# Altium PCB top.PcbDoc (part 5 of 5) (continued)
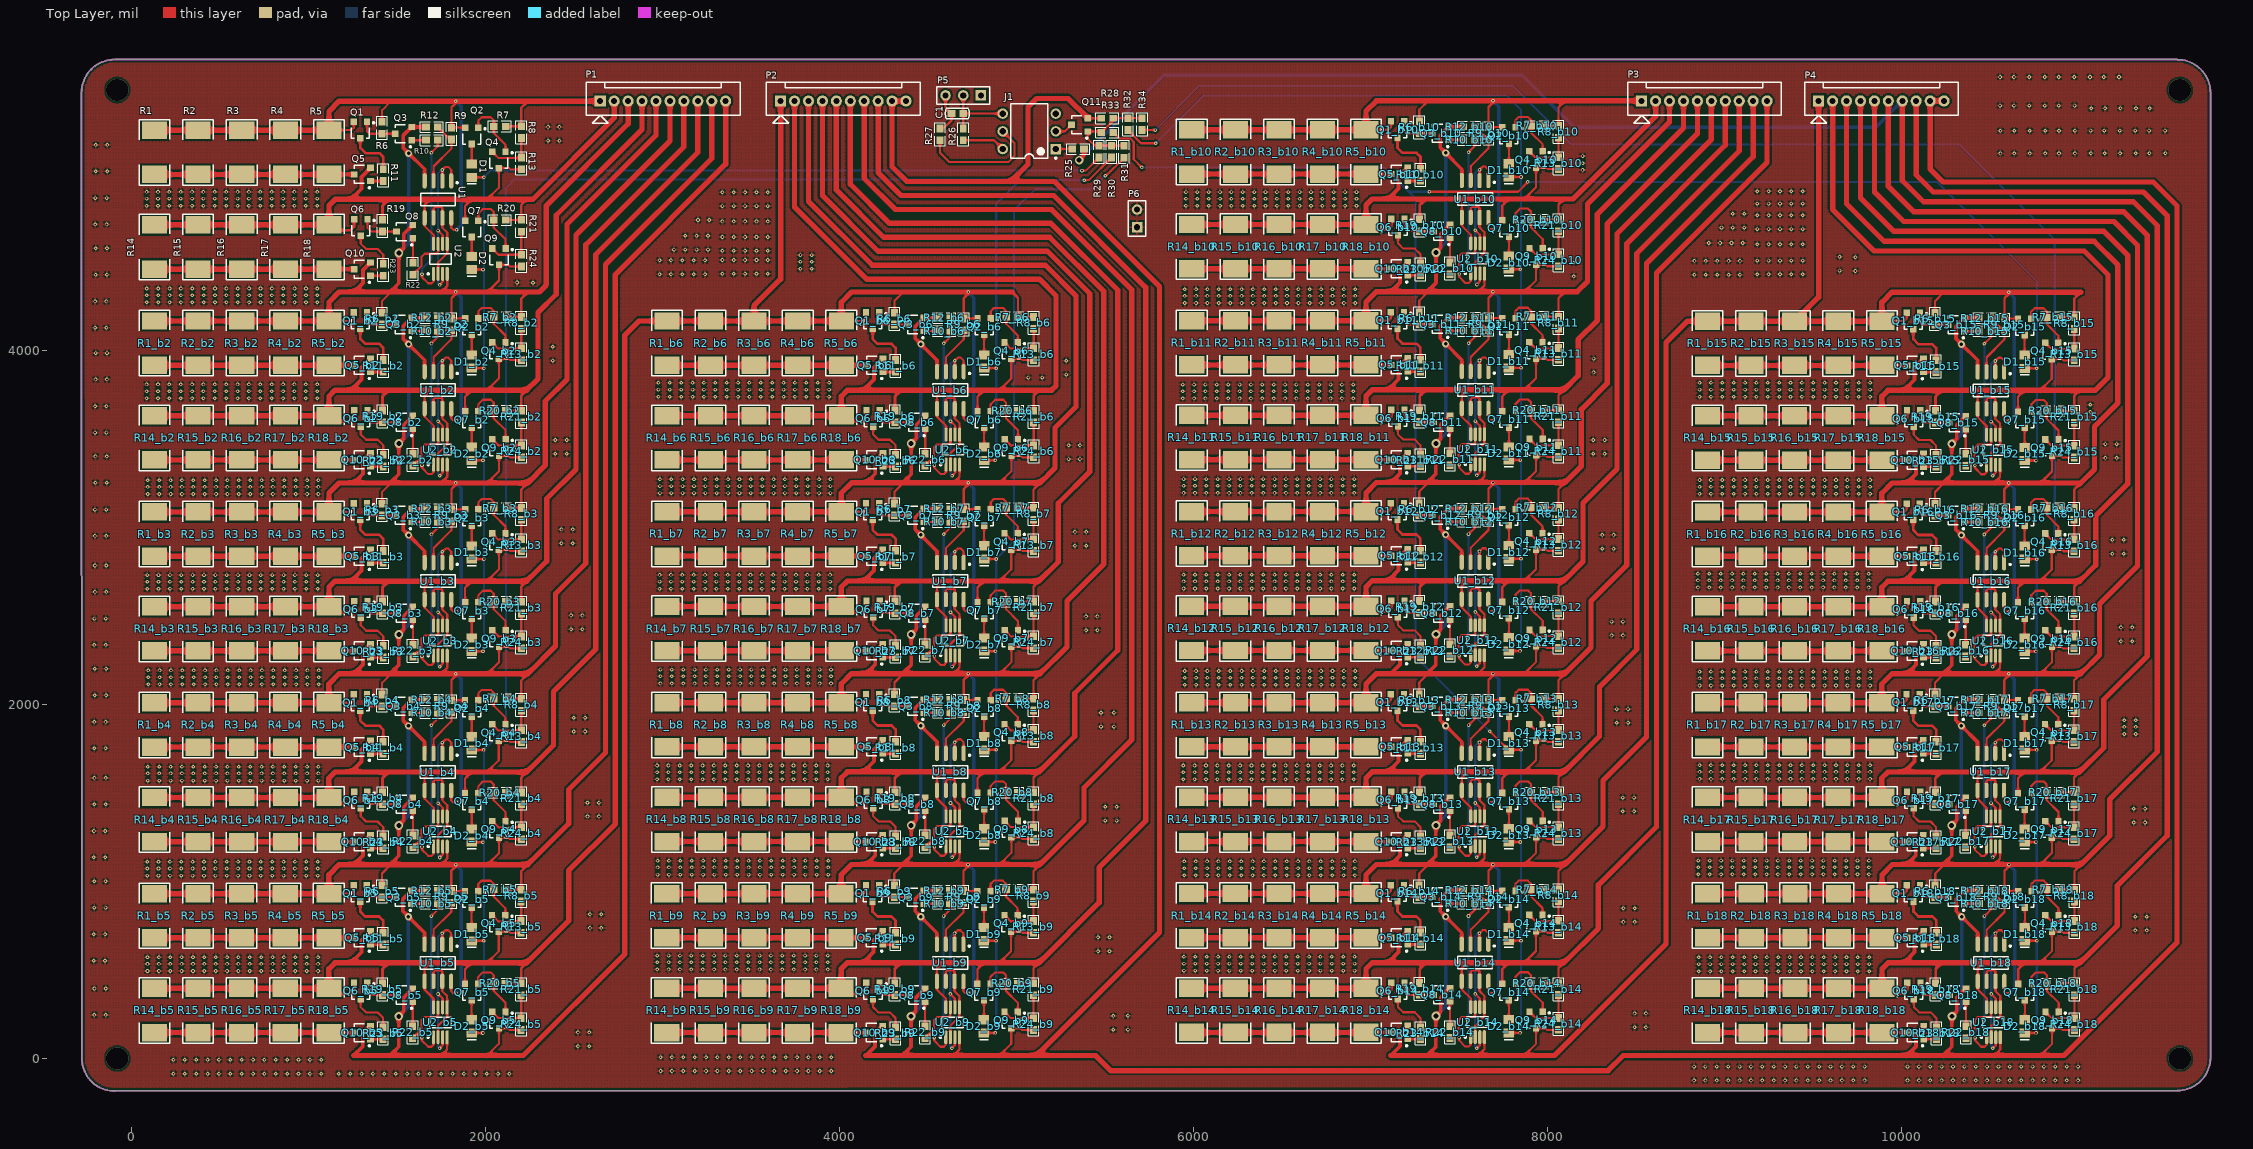
[diagram p0: Top Layer view]
## Nets (pads, with @x,y where several pads share a name; then routed paths per layer and width w, separated by ;. In a path a pad name is that pad's centre, name@x,y a point inside that pad or via, vN(x,y) a via of type N, cw(c..) or ccw(c..) an arc to the next point about the centre after c; other vN are vias at no path point) (continued)
NetQ6_b17_1: Q6_b17.1 Q8_b17.3 R19_b17.1 | length 221.1
  Top Layer w12: Q6_b17.1@10108.07,1506.86 10108.07,1459 10128.94,1438.13 R19_b17.1@10193.67,1438.13 10194.2,1437.6 Q8_b17.3@10272.41,1437.6
NetQ6_b17_3: Q6_b17.3 R23_b17.2 | length 250
  Top Layer w12: Q6_b17.3@10070.67,1414.34 10070.67,1369.6 10100.67,1339.6 10165.67,1339.6 10197.67,1307.6 R23_b17.2@10197.67,1255.06
NetQ6_b18_1: Q6_b18.1 Q8_b18.3 R19_b18.1 | length 221.1
  Top Layer w12: Q6_b18.1@10109.28,428.46 10109.28,380.6 10130.14,359.73 R19_b18.1@10194.87,359.73 10195.41,359.2 Q8_b18.3@10273.61,359.2
NetQ6_b18_3: Q6_b18.3 R23_b18.2 | length 250
  Top Layer w12: Q6_b18.3@10071.87,335.94 10071.87,291.2 10101.87,261.2 10166.87,261.2 10198.87,229.2 R23_b18.2@10198.87,176.66
NetQ7_1: Q7.1 Q9.1 R20.1 | length 379.6
  Top Layer w12: Q7.1@1961.4,4734.8 1961.4,4774.94 1987,4800.54 2032,4800.54 2048.54,4784 R20.1@2048.54,4738.54 2048.54,4695 2115.4,4628.13 Q9.1@2115.4,4576.8
NetQ7_b2_1: Q7_b2.1 Q9_b2.1 R20_b2.1 | length 379.6
  Top Layer w12: Q7_b2.1@1961.4,3656.72 1961.4,3696.87 1987,3722.46 2032,3722.46 2048.54,3705.93 R20_b2.1@2048.54,3660.46 2048.54,3616.93 2115.4,3550.06 Q9_b2.1@2115.4,3498.72
NetQ7_b3_1: Q7_b3.1 Q9_b3.1 R20_b3.1 | length 379.6
  Top Layer w12: Q7_b3.1@1961.4,2577.8 1961.4,2617.94 1987,2643.54 2032,2643.54 2048.54,2627 R20_b3.1@2048.54,2581.54 2048.54,2538 2115.4,2471.13 Q9_b3.1@2115.4,2419.8
NetQ7_b4_1: Q7_b4.1 Q9_b4.1 R20_b4.1 | length 379.6
  Top Layer w12: Q7_b4.1@1961.28,1499.46 1961.28,1539.6 1986.87,1565.2 2031.87,1565.2 2048.41,1548.66 R20_b4.1@2048.41,1503.2 2048.41,1459.66 2115.28,1392.79 Q9_b4.1@2115.28,1341.46
NetQ7_b5_1: Q7_b5.1 Q9_b5.1 R20_b5.1 | length 379.6
  Top Layer w12: Q7_b5.1@1960.87,421.33 1960.87,461.47 1986.46,487.07 2031.46,487.07 2048,470.54 R20_b5.1@2048,425.07 2048,381.54 2114.87,314.67 Q9_b5.1@2114.87,263.33
NetQ7_b6_1: Q7_b6.1 Q9_b6.1 R20_b6.1 | length 379.6
  Top Layer w12: Q7_b6.1@4856.4,3656.72 4856.4,3696.87 4882,3722.46 4927,3722.46 4943.54,3705.93 R20_b6.1@4943.54,3660.46 4943.54,3616.93 5010.4,3550.06 Q9_b6.1@5010.4,3498.72
NetQ7_b7_1: Q7_b7.1 Q9_b7.1 R20_b7.1 | length 379.6
  Top Layer w12: Q7_b7.1@4856.28,2578.46 4856.28,2618.6 4881.87,2644.2 4926.87,2644.2 4943.41,2627.66 R20_b7.1@4943.41,2582.2 4943.41,2538.66 5010.28,2471.79 Q9_b7.1@5010.28,2420.46
NetQ7_b8_1: Q7_b8.1 Q9_b8.1 R20_b8.1 | length 379.6
  Top Layer w12: Q7_b8.1@4856.28,1500.46 4856.28,1540.6 4881.87,1566.2 4926.87,1566.2 4943.41,1549.66 R20_b8.1@4943.41,1504.2 4943.41,1460.66 5010.28,1393.79 Q9_b8.1@5010.28,1342.46
NetQ7_b9_1: Q7_b9.1 Q9_b9.1 R20_b9.1 | length 379.6
  Top Layer w12: Q7_b9.1@4855.28,421.46 4855.28,461.6 4880.87,487.2 4925.87,487.2 4942.41,470.66 R20_b9.1@4942.41,425.2 4942.41,381.66 5009.28,314.79 Q9_b9.1@5009.28,263.46
NetQ7_b10_1: Q7_b10.1 Q9_b10.1 R20_b10.1 | length 379.6
  Top Layer w12: Q7_b10.1@7821.4,4736.72 7821.4,4776.87 7847,4802.46 7892,4802.46 7908.54,4785.93 R20_b10.1@7908.54,4740.46 7908.54,4696.93 7975.4,4630.06 Q9_b10.1@7975.4,4578.72
NetQ7_b11_1: Q7_b11.1 Q9_b11.1 R20_b11.1 | length 379.6
  Top Layer w12: Q7_b11.1@7821.28,3658.46 7821.28,3698.6 7846.87,3724.2 7891.87,3724.2 7908.41,3707.66 R20_b11.1@7908.41,3662.2 7908.41,3618.66 7975.28,3551.79 Q9_b11.1@7975.28,3500.46
NetQ7_b12_1: Q7_b12.1 Q9_b12.1 R20_b12.1 | length 379.6
  Top Layer w12: Q7_b12.1@7821,2579.86 7821,2620 7846.6,2645.6 7891.6,2645.6 7908.13,2629.06 R20_b12.1@7908.13,2583.6 7908.13,2540.06 7975,2473.2 Q9_b12.1@7975,2421.86
NetQ7_b13_1: Q7_b13.1 Q9_b13.1 R20_b13.1 | length 379.6
  Top Layer w12: Q7_b13.1@7821.28,1500.46 7821.28,1540.6 7846.87,1566.2 7891.87,1566.2 7908.41,1549.66 R20_b13.1@7908.41,1504.2 7908.41,1460.66 7975.28,1393.79 Q9_b13.1@7975.28,1342.46
NetQ7_b14_1: Q7_b14.1 Q9_b14.1 R20_b14.1 | length 379.6
  Top Layer w12: Q7_b14.1@7821,422 7821,462.14 7846.6,487.74 7891.6,487.74 7908.13,471.2 R20_b14.1@7908.13,425.74 7908.13,382.2 7975,315.34 Q9_b14.1@7975,264
NetQ7_b15_1: Q7_b15.1 Q9_b15.1 R20_b15.1 | length 379.6
  Top Layer w12: Q7_b15.1@10735.4,3655.72 10735.4,3695.87 10761,3721.46 10806,3721.46 10822.54,3704.93 R20_b15.1@10822.54,3659.46 10822.54,3615.93 10889.4,3549.06 Q9_b15.1@10889.4,3497.72
NetQ7_b16_1: Q7_b16.1 Q9_b16.1 R20_b16.1 | length 379.6
  Top Layer w12: Q7_b16.1@10735.28,2577.46 10735.28,2617.6 10760.87,2643.2 10805.87,2643.2 10822.41,2626.66 R20_b16.1@10822.41,2581.2 10822.41,2537.66 10889.28,2470.79 Q9_b16.1@10889.28,2419.46
NetQ7_b17_1: Q7_b17.1 Q9_b17.1 R20_b17.1 | length 379.6
  Top Layer w12: Q7_b17.1@10735.07,1499.86 10735.07,1540 10760.67,1565.6 10805.67,1565.6 10822.2,1549.06 R20_b17.1@10822.2,1503.6 10822.2,1460.06 10889.07,1393.2 Q9_b17.1@10889.07,1341.86
NetQ7_b18_1: Q7_b18.1 Q9_b18.1 R20_b18.1 | length 379.6
  Top Layer w12: Q7_b18.1@10736.28,421.46 10736.28,461.6 10761.87,487.2 10806.87,487.2 10823.41,470.66 R20_b18.1@10823.41,425.2 10823.41,381.66 10890.28,314.79 Q9_b18.1@10890.28,263.46
NetQ8_1: Q8.1 R22.1 | length 139.2
  Top Layer w12: R22.1@1591,4496 1591.26,4496.26 Q8.1@1591.26,4635.13
NetQ8_b2_1: Q8_b2.1 R22_b2.1 | length 139.2
  Top Layer w12: R22_b2.1@1591,3417.93 1591.26,3418.19 Q8_b2.1@1591.26,3557.06
NetQ8_b3_1: Q8_b3.1 R22_b3.1 | length 139.2
  Top Layer w12: R22_b3.1@1591,2339 1591.26,2339.26 Q8_b3.1@1591.26,2478.13
NetQ8_b4_1: Q8_b4.1 R22_b4.1 | length 139.2
  Top Layer w12: R22_b4.1@1590.87,1260.66 1591.13,1260.92 Q8_b4.1@1591.13,1399.79
NetQ8_b5_1: Q8_b5.1 R22_b5.1 | length 139.2
  Top Layer w12: R22_b5.1@1590.46,182.54 1590.72,182.8 Q8_b5.1@1590.72,321.67
NetQ8_b6_1: Q8_b6.1 R22_b6.1 | length 139.2
  Top Layer w12: R22_b6.1@4486,3417.93 4486.26,3418.19 Q8_b6.1@4486.26,3557.06
NetQ8_b7_1: Q8_b7.1 R22_b7.1 | length 139.2
  Top Layer w12: R22_b7.1@4485.87,2339.66 4486.13,2339.92 Q8_b7.1@4486.13,2478.79
NetQ8_b8_1: Q8_b8.1 R22_b8.1 | length 139.2
  Top Layer w12: R22_b8.1@4485.87,1261.66 4486.13,1261.92 Q8_b8.1@4486.13,1400.79
NetQ8_b9_1: Q8_b9.1 R22_b9.1 | length 139.2
  Top Layer w12: R22_b9.1@4484.87,182.66 4485.13,182.92 Q8_b9.1@4485.13,321.79
NetQ8_b10_1: Q8_b10.1 R22_b10.1 | length 139.2
  Top Layer w12: R22_b10.1@7451,4497.93 7451.26,4498.19 Q8_b10.1@7451.26,4637.06
NetQ8_b11_1: Q8_b11.1 R22_b11.1 | length 139.2
  Top Layer w12: R22_b11.1@7450.87,3419.66 7451.13,3419.92 Q8_b11.1@7451.13,3558.79
NetQ8_b12_1: Q8_b12.1 R22_b12.1 | length 139.2
  Top Layer w12: R22_b12.1@7450.6,2341.06 7450.86,2341.32 Q8_b12.1@7450.86,2480.2
NetQ8_b13_1: Q8_b13.1 R22_b13.1 | length 139.2
  Top Layer w12: R22_b13.1@7450.87,1261.66 7451.13,1261.92 Q8_b13.1@7451.13,1400.79
NetQ8_b14_1: Q8_b14.1 R22_b14.1 | length 139.2
  Top Layer w12: R22_b14.1@7450.6,183.2 7450.86,183.46 Q8_b14.1@7450.86,322.34
NetQ8_b15_1: Q8_b15.1 R22_b15.1 | length 139.2
  Top Layer w12: R22_b15.1@10365,3416.93 10365.26,3417.19 Q8_b15.1@10365.26,3556.06
NetQ8_b16_1: Q8_b16.1 R22_b16.1 | length 139.2
  Top Layer w12: R22_b16.1@10364.87,2338.66 10365.13,2338.92 Q8_b16.1@10365.13,2477.79
NetQ8_b17_1: Q8_b17.1 R22_b17.1 | length 139.2
  Top Layer w12: R22_b17.1@10364.67,1261.06 10364.93,1261.32 Q8_b17.1@10364.93,1400.2
NetQ8_b18_1: Q8_b18.1 R22_b18.1 | length 139.2
  Top Layer w12: R22_b18.1@10365.87,182.66 10366.13,182.92 Q8_b18.1@10366.13,321.79
NetQ9_2: Q9.2 R21.1 R24.2 | length 307.9
  Top Layer w12: Q9.2@2040.6,4576.8 2075.39,4542 R24.2@2204,4542 R21.1@2204,4672.07
NetQ9_b2_2: Q9_b2.2 R21_b2.1 R24_b2.2 | length 307.9
  Top Layer w12: Q9_b2.2@2040.6,3498.72 2075.39,3463.93 R24_b2.2@2204,3463.93 R21_b2.1@2204,3594
NetQ9_b3_2: Q9_b3.2 R21_b3.1 R24_b3.2 | length 307.9
  Top Layer w12: Q9_b3.2@2040.6,2419.8 2075.39,2385 R24_b3.2@2204,2385 R21_b3.1@2204,2515.07
NetQ9_b4_2: Q9_b4.2 R21_b4.1 R24_b4.2 | length 307.9
  Top Layer w12: Q9_b4.2@2040.47,1341.46 2075.27,1306.66 R24_b4.2@2203.87,1306.66 R21_b4.1@2203.87,1436.73
NetQ9_b5_2: Q9_b5.2 R21_b5.1 R24_b5.2 | length 307.9
  Top Layer w12: Q9_b5.2@2040.06,263.33 2074.86,228.54 R24_b5.2@2203.46,228.54 R21_b5.1@2203.46,358.61
NetQ9_b6_2: Q9_b6.2 R21_b6.1 R24_b6.2 | length 307.9
  Top Layer w12: Q9_b6.2@4935.6,3498.72 4970.39,3463.93 R24_b6.2@5099,3463.93 R21_b6.1@5099,3594
NetQ9_b7_2: Q9_b7.2 R21_b7.1 R24_b7.2 | length 307.9
  Top Layer w12: Q9_b7.2@4935.47,2420.46 4970.27,2385.66 R24_b7.2@5098.87,2385.66 R21_b7.1@5098.87,2515.73
NetQ9_b8_2: Q9_b8.2 R21_b8.1 R24_b8.2 | length 307.9
  Top Layer w12: Q9_b8.2@4935.47,1342.46 4970.27,1307.66 R24_b8.2@5098.87,1307.66 R21_b8.1@5098.87,1437.73
NetQ9_b9_2: Q9_b9.2 R21_b9.1 R24_b9.2 | length 307.9
  Top Layer w12: Q9_b9.2@4934.47,263.46 4969.27,228.66 R24_b9.2@5097.87,228.66 R21_b9.1@5097.87,358.73
NetQ9_b10_2: Q9_b10.2 R21_b10.1 R24_b10.2 | length 307.9
  Top Layer w12: Q9_b10.2@7900.6,4578.72 7935.39,4543.93 R24_b10.2@8064,4543.93 R21_b10.1@8064,4674
NetQ9_b11_2: Q9_b11.2 R21_b11.1 R24_b11.2 | length 307.9
  Top Layer w12: Q9_b11.2@7900.47,3500.46 7935.27,3465.66 R24_b11.2@8063.87,3465.66 R21_b11.1@8063.87,3595.73
NetQ9_b12_2: Q9_b12.2 R21_b12.1 R24_b12.2 | length 307.9
  Top Layer w12: Q9_b12.2@7900.2,2421.86 7934.99,2387.06 R24_b12.2@8063.6,2387.06 R21_b12.1@8063.6,2517.13
NetQ9_b13_2: Q9_b13.2 R21_b13.1 R24_b13.2 | length 307.9
  Top Layer w12: Q9_b13.2@7900.47,1342.46 7935.27,1307.66 R24_b13.2@8063.87,1307.66 R21_b13.1@8063.87,1437.73
NetQ9_b14_2: Q9_b14.2 R21_b14.1 R24_b14.2 | length 307.9
  Top Layer w12: Q9_b14.2@7900.2,264 7934.99,229.2 R24_b14.2@8063.6,229.2 R21_b14.1@8063.6,359.28
NetQ9_b15_2: Q9_b15.2 R21_b15.1 R24_b15.2 | length 307.9
  Top Layer w12: Q9_b15.2@10814.6,3497.72 10849.39,3462.93 R24_b15.2@10978,3462.93 R21_b15.1@10978,3593
NetQ9_b16_2: Q9_b16.2 R21_b16.1 R24_b16.2 | length 307.9
  Top Layer w12: Q9_b16.2@10814.47,2419.46 10849.27,2384.66 R24_b16.2@10977.87,2384.66 R21_b16.1@10977.87,2514.73
NetQ9_b17_2: Q9_b17.2 R21_b17.1 R24_b17.2 | length 307.9
  Top Layer w12: Q9_b17.2@10814.27,1341.86 10849.06,1307.06 R24_b17.2@10977.67,1307.06 R21_b17.1@10977.67,1437.13
NetQ9_b18_2: Q9_b18.2 R21_b18.1 R24_b18.2 | length 307.9
  Top Layer w12: Q9_b18.2@10815.47,263.46 10850.27,228.66 R24_b18.2@10978.87,228.66 R21_b18.1@10978.87,358.73
NetQ10_1: Q10.1 R23.1 | length 71.8
  Top Layer w12: Q10.1@1352.26,4423.13 1423.94,4423.13 R23.1@1424,4423.07
NetQ10_3: Q10.3 R14.1 R15.1 R16.1 R17.1 R18.1 | length 1127.7
  Top Layer w22: R18.1@1117,4460.54 Q10.3@1259.74,4460.54
  Top Layer w30: R14.1@132,4460.54 R15.1@378.25,4460.54 R16.1@624.5,4460.54 R17.1@870.75,4460.54 R18.1@1117,4460.54
NetQ10_b2_1: Q10_b2.1 R23_b2.1 | length 71.8
  Top Layer w12: Q10_b2.1@1352.26,3345.06 1423.94,3345.06 R23_b2.1@1424,3345
NetQ10_b2_3: Q10_b2.3 R14_b2.1 R15_b2.1 R16_b2.1 R17_b2.1 R18_b2.1 | length 1127.7
  Top Layer w22: R18_b2.1@1117,3382.46 Q10_b2.3@1259.74,3382.46
  Top Layer w30: R14_b2.1@132,3382.46 R15_b2.1@378.25,3382.46 R16_b2.1@624.5,3382.46 R17_b2.1@870.75,3382.46 R18_b2.1@1117,3382.46
NetQ10_b3_1: Q10_b3.1 R23_b3.1 | length 71.8
  Top Layer w12: Q10_b3.1@1352.26,2266.13 1423.94,2266.13 R23_b3.1@1424,2266.07
NetQ10_b3_3: Q10_b3.3 R14_b3.1 R15_b3.1 R16_b3.1 R17_b3.1 R18_b3.1 | length 1127.7
  Top Layer w22: R18_b3.1@1117,2303.54 Q10_b3.3@1259.74,2303.54
  Top Layer w30: R14_b3.1@132,2303.54 R15_b3.1@378.25,2303.54 R16_b3.1@624.5,2303.54 R17_b3.1@870.75,2303.54 R18_b3.1@1117,2303.54
NetQ10_b4_1: Q10_b4.1 R23_b4.1 | length 71.8
  Top Layer w12: Q10_b4.1@1352.13,1187.79 1423.81,1187.79 R23_b4.1@1423.87,1187.73
NetQ10_b4_3: Q10_b4.3 R14_b4.1 R15_b4.1 R16_b4.1 R17_b4.1 R18_b4.1 | length 1127.7
  Top Layer w22: R18_b4.1@1116.87,1225.2 Q10_b4.3@1259.61,1225.2
  Top Layer w30: R14_b4.1@131.87,1225.2 R15_b4.1@378.12,1225.2 R16_b4.1@624.37,1225.2 R17_b4.1@870.62,1225.2 R18_b4.1@1116.87,1225.2
NetQ10_b5_1: Q10_b5.1 R23_b5.1 | length 71.8
  Top Layer w12: Q10_b5.1@1351.72,109.67 1423.4,109.67 R23_b5.1@1423.46,109.61
NetQ10_b5_3: Q10_b5.3 R14_b5.1 R15_b5.1 R16_b5.1 R17_b5.1 R18_b5.1 | length 1127.7
  Top Layer w22: R18_b5.1@1116.46,147.07 Q10_b5.3@1259.2,147.07
  Top Layer w30: R14_b5.1@131.46,147.07 R15_b5.1@377.71,147.07 R16_b5.1@623.96,147.07 R17_b5.1@870.21,147.07 R18_b5.1@1116.46,147.07
NetQ10_b6_1: Q10_b6.1 R23_b6.1 | length 71.8
  Top Layer w12: Q10_b6.1@4247.26,3345.06 4318.94,3345.06 R23_b6.1@4319,3345
NetQ10_b6_3: Q10_b6.3 R14_b6.1 R15_b6.1 R16_b6.1 R17_b6.1 R18_b6.1 | length 1127.7
  Top Layer w22: R18_b6.1@4012,3382.46 Q10_b6.3@4154.74,3382.46
  Top Layer w30: R14_b6.1@3027,3382.46 R15_b6.1@3273.25,3382.46 R16_b6.1@3519.5,3382.46 R17_b6.1@3765.75,3382.46 R18_b6.1@4012,3382.46
NetQ10_b7_1: Q10_b7.1 R23_b7.1 | length 71.8
  Top Layer w12: Q10_b7.1@4247.13,2266.79 4318.81,2266.79 R23_b7.1@4318.87,2266.73
NetQ10_b7_3: Q10_b7.3 R14_b7.1 R15_b7.1 R16_b7.1 R17_b7.1 R18_b7.1 | length 1127.7
  Top Layer w22: R18_b7.1@4011.87,2304.2 Q10_b7.3@4154.61,2304.2
  Top Layer w30: R14_b7.1@3026.87,2304.2 R15_b7.1@3273.12,2304.2 R16_b7.1@3519.37,2304.2 R17_b7.1@3765.62,2304.2 R18_b7.1@4011.87,2304.2
NetQ10_b8_1: Q10_b8.1 R23_b8.1 | length 71.8
  Top Layer w12: Q10_b8.1@4247.13,1188.79 4318.81,1188.79 R23_b8.1@4318.87,1188.73
NetQ10_b8_3: Q10_b8.3 R14_b8.1 R15_b8.1 R16_b8.1 R17_b8.1 R18_b8.1 | length 1127.7
  Top Layer w22: R18_b8.1@4011.87,1226.2 Q10_b8.3@4154.61,1226.2
  Top Layer w30: R14_b8.1@3026.87,1226.2 R15_b8.1@3273.12,1226.2 R16_b8.1@3519.37,1226.2 R17_b8.1@3765.62,1226.2 R18_b8.1@4011.87,1226.2
NetQ10_b9_1: Q10_b9.1 R23_b9.1 | length 71.8
  Top Layer w12: Q10_b9.1@4246.13,109.79 4317.81,109.79 R23_b9.1@4317.87,109.73
NetQ10_b9_3: Q10_b9.3 R14_b9.1 R15_b9.1 R16_b9.1 R17_b9.1 R18_b9.1 | length 1127.7
  Top Layer w22: R18_b9.1@4010.87,147.2 Q10_b9.3@4153.61,147.2
  Top Layer w30: R14_b9.1@3025.87,147.2 R15_b9.1@3272.12,147.2 R16_b9.1@3518.37,147.2 R17_b9.1@3764.62,147.2 R18_b9.1@4010.87,147.2
NetQ10_b10_1: Q10_b10.1 R23_b10.1 | length 71.8
  Top Layer w12: Q10_b10.1@7212.26,4425.06 7283.94,4425.06 R23_b10.1@7284,4425
NetQ10_b10_3: Q10_b10.3 R14_b10.1 R15_b10.1 R16_b10.1 R17_b10.1 R18_b10.1 | length 1127.7
  Top Layer w22: R18_b10.1@6977,4462.46 Q10_b10.3@7119.74,4462.46
  Top Layer w30: R14_b10.1@5992,4462.46 R15_b10.1@6238.25,4462.46 R16_b10.1@6484.5,4462.46 R17_b10.1@6730.75,4462.46 R18_b10.1@6977,4462.46
NetQ10_b11_1: Q10_b11.1 R23_b11.1 | length 71.8
  Top Layer w12: Q10_b11.1@7212.13,3346.79 7283.81,3346.79 R23_b11.1@7283.87,3346.73
NetQ10_b11_3: Q10_b11.3 R14_b11.1 R15_b11.1 R16_b11.1 R17_b11.1 R18_b11.1 | length 1127.7
  Top Layer w22: R18_b11.1@6976.87,3384.2 Q10_b11.3@7119.61,3384.2
  Top Layer w30: R14_b11.1@5991.87,3384.2 R15_b11.1@6238.12,3384.2 R16_b11.1@6484.37,3384.2 R17_b11.1@6730.62,3384.2 R18_b11.1@6976.87,3384.2
NetQ10_b12_1: Q10_b12.1 R23_b12.1 | length 71.8
  Top Layer w12: Q10_b12.1@7211.86,2268.2 7283.54,2268.2 R23_b12.1@7283.6,2268.13
NetQ10_b12_3: Q10_b12.3 R14_b12.1 R15_b12.1 R16_b12.1 R17_b12.1 R18_b12.1 | length 1127.7
  Top Layer w22: R18_b12.1@6976.6,2305.6 Q10_b12.3@7119.34,2305.6
  Top Layer w30: R14_b12.1@5991.6,2305.6 R15_b12.1@6237.85,2305.6 R16_b12.1@6484.1,2305.6 R17_b12.1@6730.35,2305.6 R18_b12.1@6976.6,2305.6
NetQ10_b13_1: Q10_b13.1 R23_b13.1 | length 71.8
  Top Layer w12: Q10_b13.1@7212.13,1188.79 7283.81,1188.79 R23_b13.1@7283.87,1188.73
NetQ10_b13_3: Q10_b13.3 R14_b13.1 R15_b13.1 R16_b13.1 R17_b13.1 R18_b13.1 | length 1127.7
  Top Layer w22: R18_b13.1@6976.87,1226.2 Q10_b13.3@7119.61,1226.2
  Top Layer w30: R14_b13.1@5991.87,1226.2 R15_b13.1@6238.12,1226.2 R16_b13.1@6484.37,1226.2 R17_b13.1@6730.62,1226.2 R18_b13.1@6976.87,1226.2
NetQ10_b14_1: Q10_b14.1 R23_b14.1 | length 71.8
  Top Layer w12: Q10_b14.1@7211.86,110.34 7283.54,110.34 R23_b14.1@7283.6,110.28
NetQ10_b14_3: Q10_b14.3 R14_b14.1 R15_b14.1 R16_b14.1 R17_b14.1 R18_b14.1 | length 1127.7
  Top Layer w22: R18_b14.1@6976.6,147.74 Q10_b14.3@7119.34,147.74
  Top Layer w30: R14_b14.1@5991.6,147.74 R15_b14.1@6237.85,147.74 R16_b14.1@6484.1,147.74 R17_b14.1@6730.35,147.74 R18_b14.1@6976.6,147.74
NetQ10_b15_1: Q10_b15.1 R23_b15.1 | length 71.8
  Top Layer w12: Q10_b15.1@10126.26,3344.06 10197.94,3344.06 R23_b15.1@10198,3344
NetQ10_b15_3: Q10_b15.3 R14_b15.1 R15_b15.1 R16_b15.1 R17_b15.1 R18_b15.1 | length 1127.7
  Top Layer w22: R18_b15.1@9891,3381.46 Q10_b15.3@10033.74,3381.46
  Top Layer w30: R14_b15.1@8906,3381.46 R15_b15.1@9152.25,3381.46 R16_b15.1@9398.5,3381.46 R17_b15.1@9644.75,3381.46 R18_b15.1@9891,3381.46
NetQ10_b16_1: Q10_b16.1 R23_b16.1 | length 71.8
  Top Layer w12: Q10_b16.1@10126.13,2265.79 10197.81,2265.79 R23_b16.1@10197.87,2265.73
NetQ10_b16_3: Q10_b16.3 R14_b16.1 R15_b16.1 R16_b16.1 R17_b16.1 R18_b16.1 | length 1127.7
  Top Layer w22: R18_b16.1@9890.87,2303.2 Q10_b16.3@10033.61,2303.2
  Top Layer w30: R14_b16.1@8905.87,2303.2 R15_b16.1@9152.12,2303.2 R16_b16.1@9398.37,2303.2 R17_b16.1@9644.62,2303.2 R18_b16.1@9890.87,2303.2
NetQ10_b17_1: Q10_b17.1 R23_b17.1 | length 71.8
  Top Layer w12: Q10_b17.1@10125.93,1188.2 10197.61,1188.2 R23_b17.1@10197.67,1188.13
NetQ10_b17_3: Q10_b17.3 R14_b17.1 R15_b17.1 R16_b17.1 R17_b17.1 R18_b17.1 | length 1127.7
  Top Layer w22: R18_b17.1@9890.67,1225.6 Q10_b17.3@10033.41,1225.6
  Top Layer w30: R14_b17.1@8905.67,1225.6 R15_b17.1@9151.92,1225.6 R16_b17.1@9398.17,1225.6 R17_b17.1@9644.42,1225.6 R18_b17.1@9890.67,1225.6
NetQ10_b18_1: Q10_b18.1 R23_b18.1 | length 71.8
  Top Layer w12: Q10_b18.1@10127.13,109.79 10198.81,109.79 R23_b18.1@10198.87,109.73
NetQ10_b18_3: Q10_b18.3 R14_b18.1 R15_b18.1 R16_b18.1 R17_b18.1 R18_b18.1 | length 1127.7
  Top Layer w22: R18_b18.1@9891.87,147.2 Q10_b18.3@10034.61,147.2
  Top Layer w30: R14_b18.1@8906.87,147.2 R15_b18.1@9153.12,147.2 R16_b18.1@9399.37,147.2 R17_b18.1@9645.62,147.2 R18_b18.1@9891.87,147.2
NetQ11_1: Q11.1 R28.2 R29.2 R30.2 R31.2 R32.2 R33.2 R34.2 | length 614.3
  Top Layer w12: R31.2@5608,5159.46 R31.2@5609,5158.46 ; R31.2@5610,5157.46 R31.2@5609,5158.46 ; R34.2@5712,5313.46 R32.2@5631,5313.46 5548.93,5313.46 R28.2@5548.46,5313 5548.46,5299.93 R33.2@5481.54,5233 5475.94,5238.6 Q11.1@5405.26,5238.6 5405.26,5196.74 5443.54,5158.46 R29.2@5468,5158.46 R30.2@5539,5158.46 R31.2@5609,5158.46
OUT2: D1.2 D1_b2.2 D1_b3.2 D2.2 D2_b2.2 D2_b3.2 R29.1 | length 6598.7
  Top Layer w12: D2_b3.2@1924,2301.13 v1(1987.6,2301.13) v1@1988,2301.54 ; D1_b3.2@1924,2822.13 v1(1992.6,2822.13) ; D2_b2.2@1924,3380.06 v1(1987.6,3380.06) ; D1_b2.2@1924,3901.06 v1(1992.6,3901.06) ; D2.2@1924,4458.13 v1(1987.6,4458.13) ; D1.2@1924,4979.13 v1(1992.6,4979.13) ; v1(5372,5017) 5393.46,5017 R29.1@5468,5091.54
  Bottom Layer w12: v1@1992.6,2306.13 v1(1992.6,2822.13) v1(1992.6,3901.06) v1(1992.6,4979.13) 2038.46,5025 2046.46,5017 v1(5372,5017)
OUT5: D1_b4.2 D1_b5.2 D1_b6.2 D2_b4.2 D2_b5.2 D2_b6.2 R30.1 | length 10355.4
  Top Layer w12: D2_b5.2@1923.46,144.67 v1(1987.06,144.67) v1@1987.46,145.07 ; D1_b5.2@1923.46,665.67 v1(1992.06,665.67) ; D2_b4.2@1923.87,1222.79 v1(1987.47,1222.79) ; D1_b4.2@1923.87,1743.79 v1(1992.47,1743.79) ; D2_b6.2@4819,3380.06 v1(4882.6,3380.06) v1@4883,3380.46 ; D1_b6.2@4819,3901.06 v1(4887.6,3901.06) ; v1(5384,4963) 5410.46,4963 R30.1@5539,5091.54
  Bottom Layer w12: v1@1992.47,150.08 v1(1992.47,1743.79) 2118,1869.32 2118,4922 2163,4967 5026,4967 ; v1@4887.6,3385.06 v1(4887.6,3901.06) 4887.6,4828.6 5026,4967 ; v1(5384,4963) 5030,4963 5026,4967
OUT8: D1_b7.2 D1_b8.2 D1_b9.2 D2_b7.2 D2_b8.2 D2_b9.2 R31.1 | length 5826.2
  Top Layer w12: D2_b9.2@4817.87,144.79 v1(4881.47,144.79) v1@4881.87,145.2 ; D1_b9.2@4817.87,665.79 v1(4886.47,665.79) ; D2_b8.2@4818.87,1223.79 v1(4882.47,1223.79) ; D1_b8.2@4818.87,1744.79 v1(4887.47,1744.79) ; D2_b7.2@4818.87,2301.79 v1(4882.47,2301.79) ; D1_b7.2@4818.87,2822.79 v1(4887.47,2822.79) ; v1(5503,4988) 5507.46,4988 R31.1@5610,5090.54
  Bottom Layer w12: v1@4887.47,150.79 v1(4887.47,1744.79) v1(4887.47,2822.79) 4987,2922.32 4987,4792 5107,4912 5427,4912 v1(5503,4988)
OUT11: D1_b10.2 D1_b11.2 D1_b12.2 D2_b10.2 D2_b11.2 D2_b12.2 R32.1 | length 5847.1
  Top Layer w12: R32.1@5631,5246.54 5705.54,5172 v1(5788,5172) ; D2_b12.2@7783.6,2303.2 v1(7847.2,2303.2) v1@7847.6,2303.6 ; D1_b12.2@7783.6,2824.2 v1(7852.2,2824.2) ; D2_b11.2@7783.87,3381.79 v1(7847.47,3381.79) ; D1_b11.2@7783.87,3902.79 v1(7852.47,3902.79) ; D2_b10.2@7784,4460.06 v1(7847.6,4460.06) ; D1_b10.2@7784,4981.06 v1(7852.6,4981.06)
  Bottom Layer w12: v1(5788,5172) 6058,5442 7771,5442 7852.6,5360.4 v1(7852.6,4981.06) v1@7852.6,2308.6
OUT14: D1_b13.2 D1_b14.2 D1_b15.2 D2_b13.2 D2_b14.2 D2_b15.2 R33.1 | length 12056.7
  Top Layer w12: R33.1@5548.46,5233 5550,5233 5584,5199 5644,5199 5664,5179 5664,5081 v1(5710,5035) ; v1(7335,4898) 7836,4898 v1(7891,4953) ; v1(7675.73,1850) 7780.93,1744.79 D1_b13.2@7783.87,1744.79 v1(7852.47,1744.79) ; D2_b14.2@7783.6,145.34 v1(7847.2,145.34) v1@7847.6,145.74 ; D1_b14.2@7783.6,666.34 v1(7852.2,666.34) ; D2_b13.2@7783.87,1223.79 v1(7847.47,1223.79) ; D2_b15.2@10698,3379.06 v1(10761.6,3379.06) v1@10762,3379.46 ; D1_b15.2@10698,3900.06 v1(10766.6,3900.06)
  Bottom Layer w12: v1(5710,5035) 7080,5035 7217,4898 ; v1@7333,4898 7217,4898 ; v1(7675.73,1850) 7257,2268.73 7257,4858 7217,4898 ; v1@7852.47,150.61 v1(7852.47,1744.79) ; v1(7891,4953) 10205,4953 10766.6,4391.4 v1(10766.6,3900.06) v1@10766.6,3384.06
OUT17: D1_b16.2 D1_b17.2 D1_b18.2 D2_b16.2 D2_b17.2 D2_b18.2 R34.1 | length 10535
  Top Layer w12: R34.1@5712,5246.54 v1@5785.46,5246.54 ; D2_b17.2@10697.67,1223.2 v1(10761.27,1223.2) ; D1_b17.2@10697.67,1744.2 v1(10766.27,1744.2) ; D2_b16.2@10697.87,2300.79 v1(10761.47,2300.79) ; D1_b16.2@10697.87,2821.79 v1(10766.47,2821.79) ; D2_b18.2@10698.87,144.79 v1(10762.47,144.79) v1@10762.87,145.2 ; D1_b18.2@10698.87,665.79 v1(10767.47,665.79)
  Bottom Layer w12: v1(5786,5246) 6035,5495 7808,5495 8138,5165 10329,5165 10868,4626 10868,2923.32 v1(10766.47,2821.79) v1@10766.47,148.79
pads on no net: J1.3
copper on no net:
  other v4: -78.74,0 11574.8,0 -78.74,5472.44 11574.8,5472.44

## Polygon pours and split planes (outlines as drawn)
GND on Top Layer "GND" (hatched 90Degree grid 10 track 8, remove dead copper, pour order 4): -321,5687 -310,5698 11806,5698 11806,-136 11712,-230 11691,-251 -216,-251 -216,-229 -373,-72 -300,1 -300,5687
GND on Bottom Layer "GND" (hatched 90Degree grid 10 track 8, remove dead copper, pour order 6): -342,5698 11785,5698 11806,5677 11806,-230 -310,-230 -321,-219 -336,-204 -336,5696

## Keep-outs
Keep-Out Layer:
  lines w10: -93.94,5644.99 ccw(c-93,5456.99) -281,5458 -278.11,-2 ccw(c-95.22,-0.15) -91,-183 11561,-180.99 ccw(c11560.07,6.96) 11748.02,5.95 11748.02,5455 ccw(c11560.02,5456.75) 11561.03,5644.74 ; -93,5645 11561.03,5645

## Dimensions
-281,-335 to 11764,-415 on Keep-Out Layer
-854,5644 to -879,-200 on Keep-Out Layer